# Altium PCB SixFeetRobot.PcbDoc
Units mil, origin at the board's own origin, x right, y up, seen from the top; angles counter-clockwise.
Board outline 3346.46 x 2204.72 mil, 2 copper layers (Top Layer, Bottom Layer); 74 components, 69 nets, 357 pads, 86 vias.
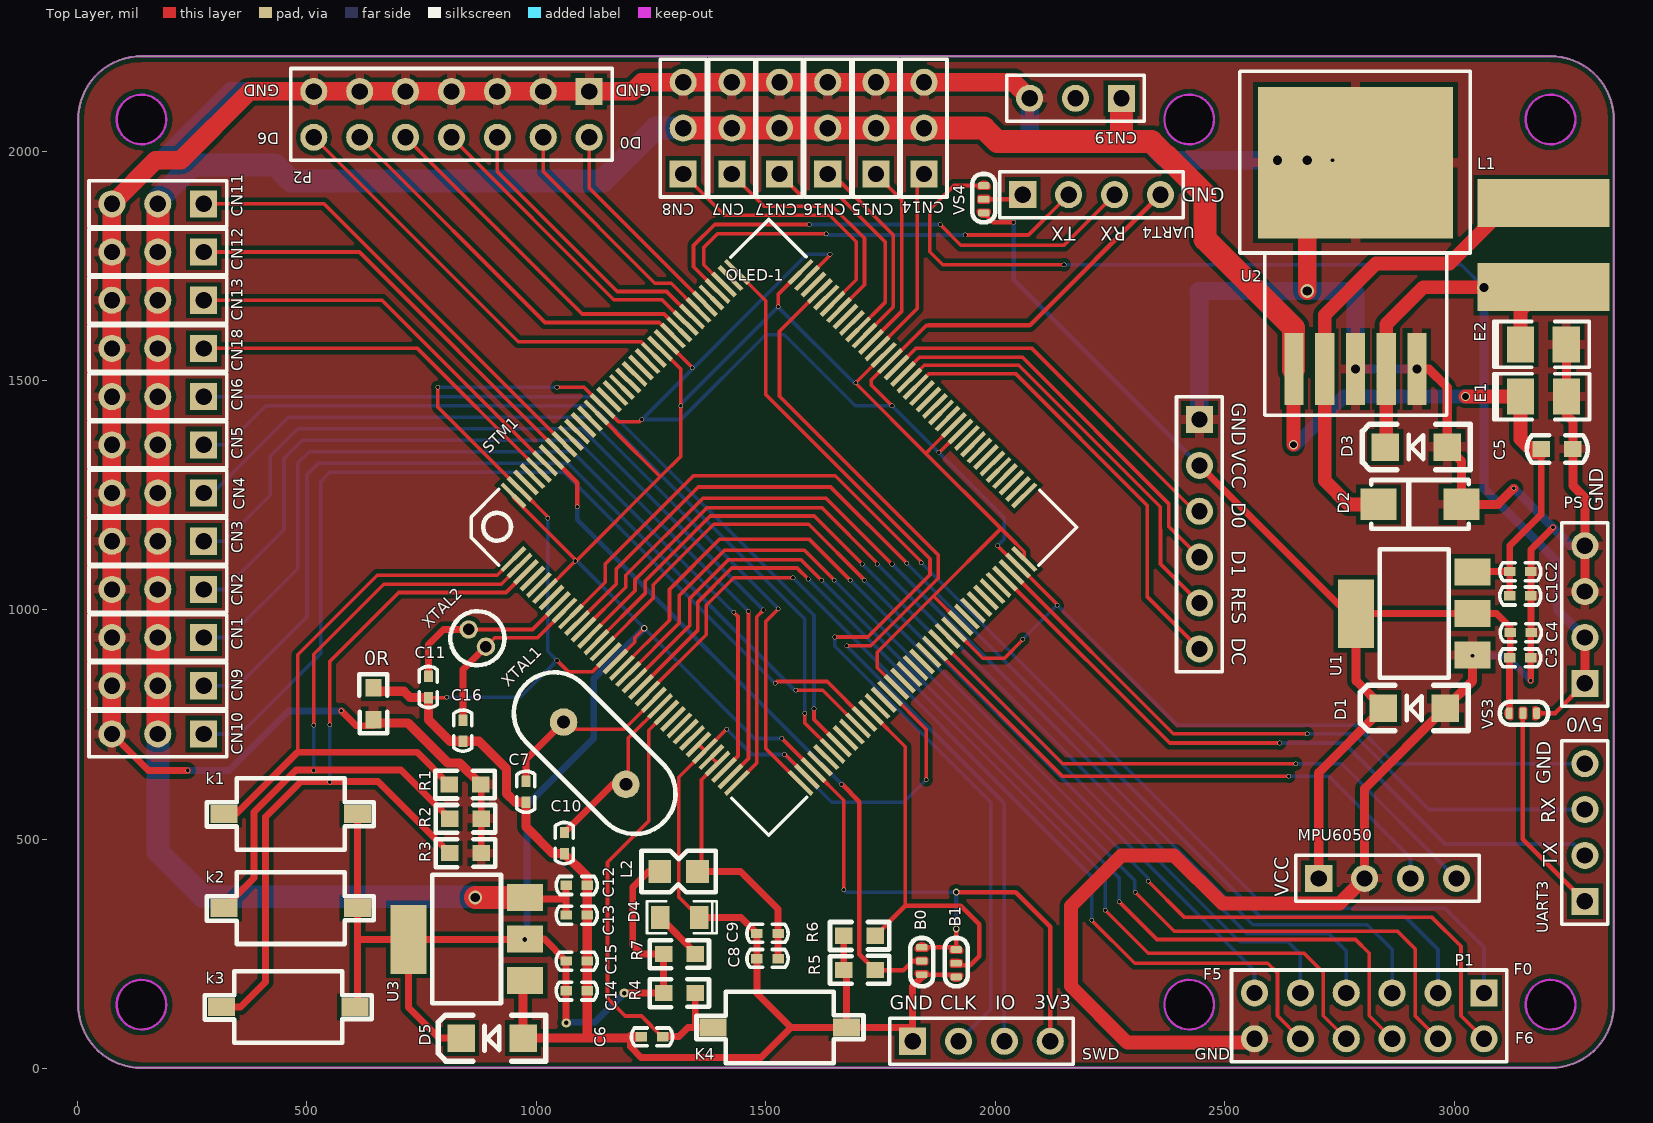
[diagram p0: Top Layer view]
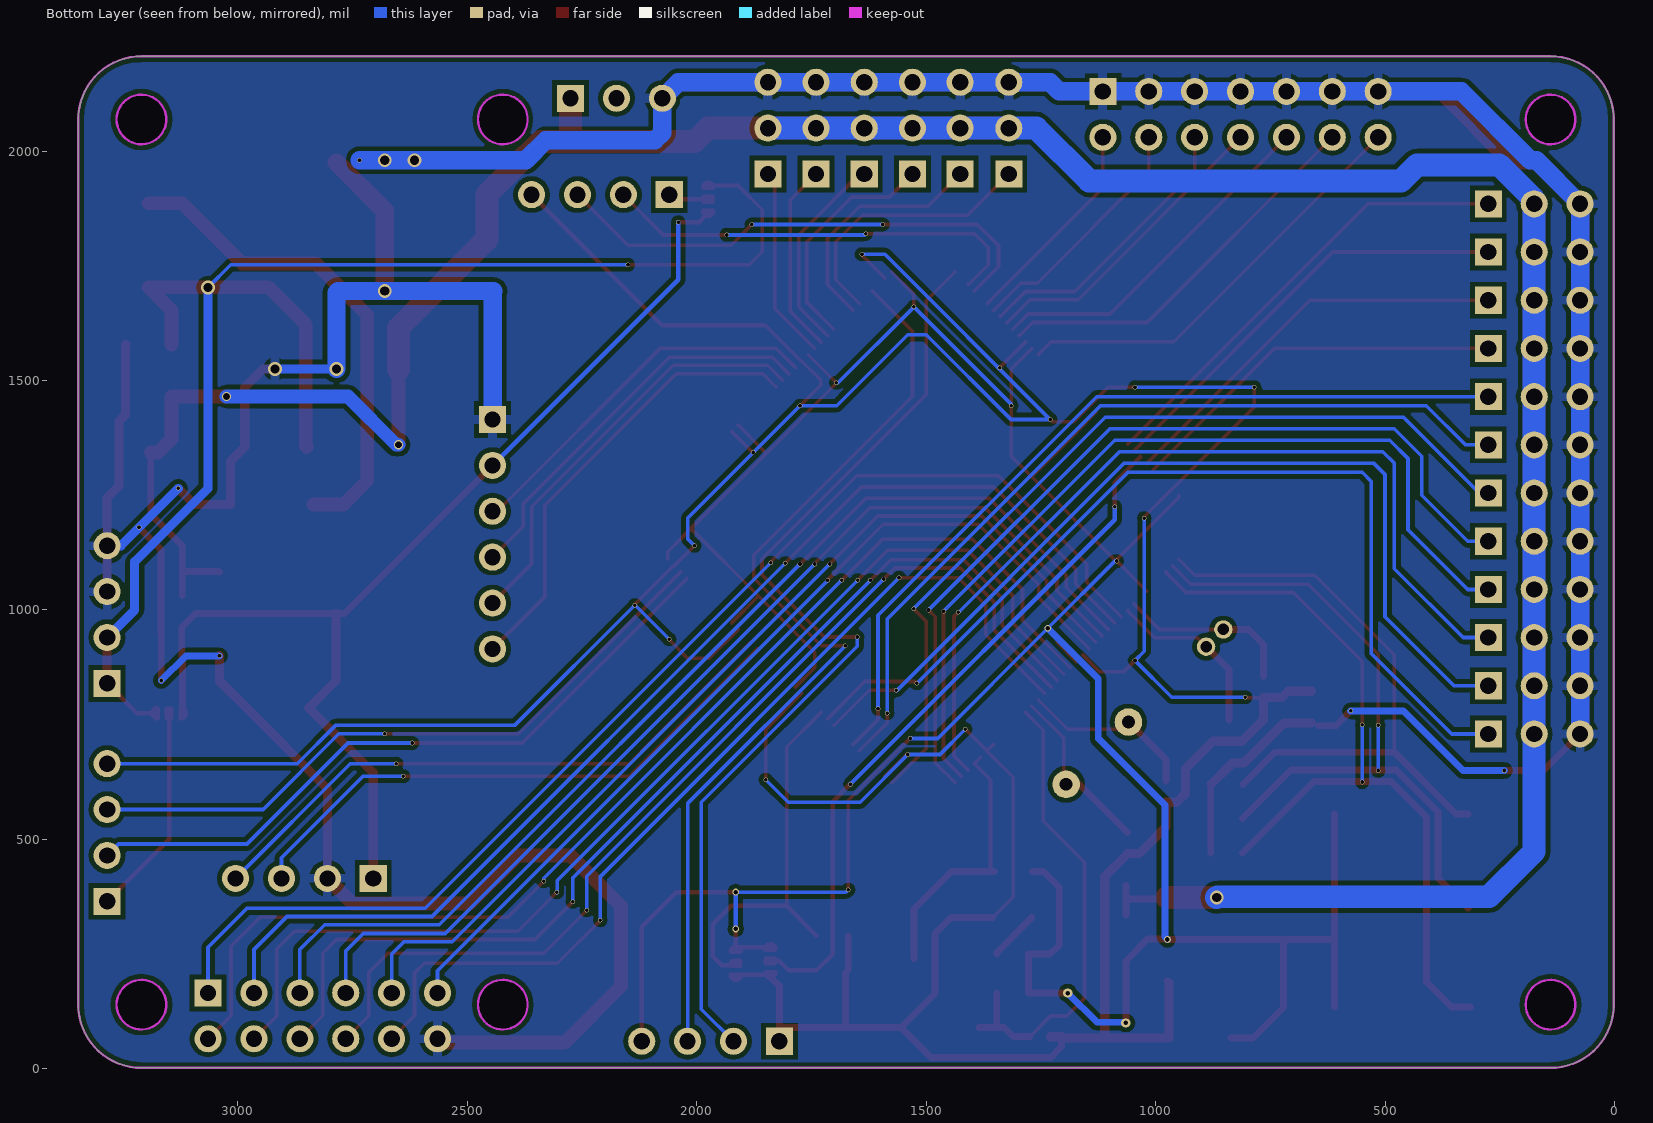
[diagram p1: Bottom Layer view, seen from below]
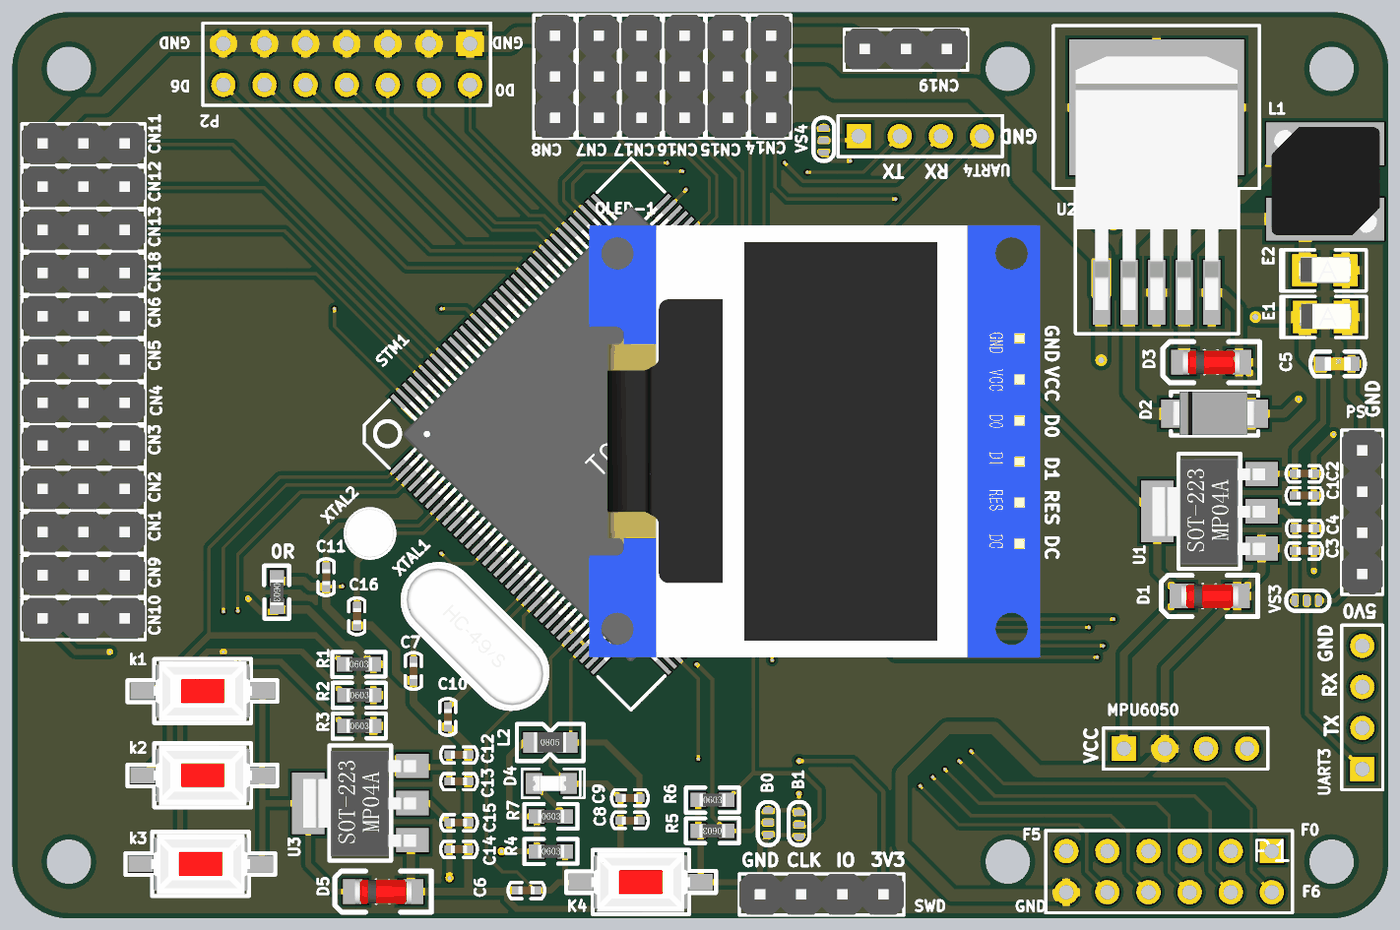
[diagram p2: 3D render of the assembled board from above, using the file's embedded part models]

## Layer stack, top to bottom
Top Solder: solder mask 0.4, Solder Resist, Dk 3.5
Top Layer: signal copper 1.4
Dielectric 1: dielectric 12.6, FR-4, Dk 4.8
Bottom Layer: signal copper 1.4
Bottom Solder: solder mask 0.4, Solder Resist, Dk 3.5

## Board outline
1.56,139.81 1.56,2068.95 cw(c139.36,2068.95) 139.36,2206.74 3210.23,2206.74 cw(c3210.23,2068.95) 3348.02,2068.95 3348.02,139.81 cw(c3210.23,139.81) 3210.23,2.02 139.36,2.02 cw(c139.36,139.81)
cut-out: 3156.09,139.81 ccw(c3210.23,139.81) 3210.23,85.68 ccw(c3210.23,139.81) 3264.36,139.81 ccw(c3210.23,139.81) 3210.23,193.95 ccw(c3210.23,139.81)
cut-out: 2368.69,139.81 ccw(c2422.82,139.81) 2422.82,85.68 ccw(c2422.82,139.81) 2476.96,139.81 ccw(c2422.82,139.81) 2422.82,193.95 ccw(c2422.82,139.81)
cut-out: 3156.09,2068.95 ccw(c3210.23,2068.95) 3210.23,2014.81 ccw(c3210.23,2068.95) 3264.36,2068.95 ccw(c3210.23,2068.95) 3210.23,2123.08 ccw(c3210.23,2068.95)
cut-out: 2368.69,2068.95 ccw(c2422.82,2068.95) 2422.82,2014.81 ccw(c2422.82,2068.95) 2476.96,2068.95 ccw(c2422.82,2068.95) 2422.82,2123.08 ccw(c2422.82,2068.95)
cut-out: 139.36,2014.81 cw(c139.36,2068.95) 85.23,2068.95 cw(c139.36,2068.95) 139.36,2123.08 cw(c139.36,2068.95) 193.49,2068.95 cw(c139.36,2068.95)
cut-out: 139.36,85.68 cw(c139.36,139.81) 85.23,139.81 cw(c139.36,139.81) 139.36,193.95 cw(c139.36,139.81) 193.49,139.81 cw(c139.36,139.81)

## Design rules (kind name [scope] priority, off if disabled: settings)
Clearance Clearance_1 [HasFootprint('STM32F103ZET6-1') vs HasFootprint('STM32F103ZET6-1')] p1: gap=2 ignorepadtopadclearanceinfootprint=FALSE
Clearance [All] p2: gap=10 ignorepadtopadclearanceinfootprint=FALSE
PlaneConnect [All] p1: planeconnectstyle=Relief reliefexpansion=20 reliefentries=4 reliefconductorwidth=20 reliefairgap=10
PolygonConnect [All] p1: connectstyle=Relief reliefconductorwidth=20 reliefentries=4 polygonreliefangle="90 Angle" airgapwidth=10
RoutingVias [All] p1: holewidth=10 width=20 viastyle="Through Hole" minholewidth=8 minwidth=10 maxholewidth=70 maxwidth=100
SilkToSilkClearance [All] p1: silktosilkclearance=-20
SolderMaskExpansion [All] p1: expansion=4
Width [All] p1: maxlimit=50 minlimit=8 preferedwidth=10
28 further rules are at their usual default settings.

## Classes and differential pairs
net class D[0..6]: D0 D1 D2 D3 D4 D5 D6
component class U_STM32F103ZET6: B0 B1 C6 C7 C8 C9 C10 C11 C12 C13 C14 C15 C16 D4 D5 K4 L2 R4 R5 R6 R7 STM1 SWD U3 XTAL1 XTAL2
component class U_PowerGroup: C1 C2 C3 C4 C5 CN19 D1 D2 D3 E1 E2 L1 PS U1 U2
component class U_Models: CN1 CN2 CN3 CN4 CN5 CN6 CN7 CN8 CN9 CN10 CN11 CN12 CN13 CN14 CN15 CN16 CN17 CN18 k1 k2 k3 MPU6050 OLED-1 P1 P2 R1 R2 R3 UART3 UART4 VS3 VS4

## Components (designator, comment, footprint, x,y, rotation, side; value= is the part's Value field where it differs from the comment)
0R "Comment" R0603 645,830 r270 top
B0 "BOOT0" Jumper3#1 1840,275 r180 top locked (schematic designator J1)
B1 "BOOT1" Jumper3#2 1915,190 r0 top locked (schematic designator J2)
C1 "100n" C0402 3166.31,1030.87 r180 top locked
C2 "10u" C0402 3166.31,1083.9 r180 top locked
C3 "100n" C0402 3166.09,895.87 r180 top locked
C4 "10u" C0402 3167.31,950.87 r180 top locked
C5 "100n" C0603 3190,1351.02 r0 top locked
C6 "100n" C0402 1274,70 r180 top locked
C7 "20p" C0402 977.56,581.78 r90 top locked
C8 "100n" C0402 1481.79,240 r0 top locked
C9 "10u" C0402 1481.79,295 r0 top locked
C10 "20p" C0402 1061.08,470 r90 top locked
C11 "20p" C0402 765,810 r90 top locked
C12 "100n" C0402 1110,400 r180 top locked
C13 "10u" C0402 1110,335 r180 top locked
C14 "100n" C0402 1110,170 r180 top locked
C15 "10u" C0402 1110,235 r180 top locked
C16 "20p" C0402 840,715 r90 top locked
CN1 "CON/SIP3" HDR1X3 275,939.79 r180 top locked
CN2 "CON/SIP3" HDR1X3 275,1044.79 r180 top locked
CN3 "CON/SIP3" HDR1X3 275,1149.79 r180 top locked
CN4 "CON/SIP3" HDR1X3 275,1254.79 r180 top locked
CN5 "CON/SIP3" HDR1X3 275,1359.79 r180 top locked
CN6 "CON/SIP3" HDR1X3 275,1464.79 r180 top locked
CN7 "CON/SIP3" HDR1X3 1426.06,1950 r90 top locked
CN8 "CON/SIP3" HDR1X3 1320,1950 r90 top locked
CN9 "CON/SIP3" HDR1X3 275,834.79 r180 top locked
CN10 "CON/SIP3" HDR1X3 275,729.79 r180 top locked
CN11 "CON/SIP3" HDR1X3 275,1885 r180 top locked
CN12 "CON/SIP3" HDR1X3 275,1780 r180 top locked
CN13 "CON/SIP3" HDR1X3 275,1675 r180 top locked
CN14 "CON/SIP3" HDR1X3 1845,1950 r90 top locked
CN15 "CON/SIP3" HDR1X3 1740,1950 r90 top locked
CN16 "CON/SIP3" HDR1X3 1635,1950 r90 top locked
CN17 "CON/SIP3" HDR1X3 1530,1950 r90 top locked
CN18 "CON/SIP3" HDR1X3 275,1570 r180 top locked
CN19 "CON/SIP3" HDR1X3 2275,2115 r180 top locked
D1 "3v3" D1206 2910,789.24 r180 top locked
D2 "ss14" DO-214 3016.1,1230 r180 top locked
D3 "5v0" D1206 2914,1358 r180 top locked
D4 "LED" LED0805TB 1270,330 r0 top locked
D5 "3v3" D1206 900,70 r180 top locked
E1 "100u" "CAP-E SMD-A" 3195,1466.5 r0 top locked
E2 "220u" "CAP-E SMD-A" 3194.44,1580 r0 top locked
k1 "KEY" 按键-贴片-1 465,555 r0 top locked
k2 "KEY" 按键-贴片-1 465,350 r0 top locked
k3 "KEY" 按键-贴片-1 460,134.48 r0 top
K4 "RESET" 按键-贴片-1 1530,90 r180 top locked
L1 "33u" L7X7 3195,1795 r270 top locked
L2 "INDUCTOR" L0805 1268.93,429.8 r0 top locked
MPU6050 "P" HDR1X4 2705,415 r0 top locked
OLED-1 "OLED直插" OLED直插 2446,1414 r270 top locked
P1 "PORTF" HDR2X6 3065,165.46 r180 top locked
P2 "Header 7X2" HDR2X7 1115,2130 r180 top locked
PS "CON/SIP4" HDR1X4 3285,840 r90 top locked
R1 "10k" R0603 810,620 r0 top locked
R2 "10k" R0603 811,545 r0 top locked
R3 "10k" R0603 811,470 r0 top locked
R4 "10k" R0603 1277.16,164.89 r0 top locked
R5 "10k" R0603 1739,215 r180 top locked
R6 "10k" R0603 1670,290 r0 top locked
R7 "1k" R0603 1277.16,250 r0 top locked
STM1 "STM32F103ZET6" STM32F103ZET6-1 914.64,1181.48 r45 top locked
SWD "CON/SIP4" HDR1X4 1820,60 r0 top locked
U1 "AMS1117-XX" SOT223 2910,990 r90 top locked
U2 "LM2596" TO263S 2785,1525 r270 top locked
U3 "AMS1117-XX" SOT223 845,280 r90 top locked
UART3 "Header 4" HDR1X4 3285,365 r90 top locked
UART4 "Header 4" HDR1X4 2060,1905 r0 top locked
VS3 "JUMPER3" Jumper3#3 3110,775 r270 top locked
VS4 "JUMPER3" Jumper3#3 1975,1855 r0 top locked
XTAL1 "8M" XTAL-49/S_N 1059.24,755.76 r315 top locked
XTAL2 "32.768k" XTAL_32.768 852.52,957.48 r315 top locked

## Footprints (in the part's own frame and the unit in brackets; to place one, negate y for a bottom-side part, rotate by r counter-clockwise, add the part's x,y. Pads: shape width x height; smd on the part's side, far side on the other; paste and mask are expansions set on the pad)
C0402 [mil]
  rect 25x20 smd: 1(-1,0) 2(45,0)
  silkscreen extent -23,-19 67,20, body extent 2,-10 42,10, height 20
C0603 [mil]
  rect 38x35 smd: 1(0,0) 2(69,0)
  silkscreen extent -31,-30 101,30, body extent 4,-16 67,16, height 12
"CAP-E SMD-A" [mm]
  rect 1.5x2 / inner rect 0x0 / far side rect 0x0 all layers, no hole: 1(-1.27,-0.038) 2(1.27,-0.038)
  silkscreen extent -2.74,-1.31 2.54,1.23, body extent -1.6,-0.8 1.6,0.8, height 1.6
D1206 [mil] "1/4W"
  rect 60x60 smd: 1(-71,3) 2(64,3)
  silkscreen extent -121,-47 114,53, body extent -73,-27 65,33, height 59
DO-214 [mm]
  rect 2x1.75 smd: 1(0,0) 2(4.6,0)
  silkscreen extent -0.4,-1.35 5,1.35, body extent -0.2,-1.34 4.91,1.33, height 2.12
HDR1X3 [mm] "Connector; Header; 3 Position"
  rect 1.5x1.5 hole 0.9: 1(0,0)
  round 1.5 hole 0.9: 2(2.54,0) 3(5.08,0)
  silkscreen extent -1.27,-1.27 6.35,1.27, body extent -1.27,-1.32 6.35,1.22, height 8.54
HDR1X4 [mm] "Connector; Header; 4 Position"
  rect 1.5x1.5 hole 0.9: 1(0,0)
  round 1.5 hole 0.9: 2(2.54,0) 3(5.08,0) 4(7.62,0)
  silkscreen extent -1.27,-1.27 8.89,1.27
HDR2X6 [mm] "Connector; Header; 6x2 Position"
  rect 1.5x1.5 hole 0.9: 1(0,0)
  round 1.5 hole 0.9: 2(0,2.54) 3(2.54,0) 4(2.54,2.54) 5(5.08,0) 6(5.08,2.54) 7(7.62,0) 8(7.62,2.54) 9(10.16,0) 10(10.16,2.54) 11(12.7,0) 12(12.7,2.54)
  silkscreen extent -1.27,-1.27 13.97,3.81
HDR2X7 [mm] "Connector; Header; 7x2 Position"
  rect 1.5x1.5 hole 0.9: 1(0,0)
  round 1.5 hole 0.9: 2(0,2.54) 3(2.54,0) 4(2.54,2.54) 5(5.08,0) 6(5.08,2.54) 7(7.62,0) 8(7.62,2.54) 9(10.16,0) 10(10.16,2.54) 11(12.7,0) 12(12.7,2.54) 13(15.24,0) 14(15.24,2.54)
  silkscreen extent -1.27,-1.27 16.51,3.81
Jumper3#1 [mil] "Use to select Model"
  rrect50% 25x15 smd: 1(0,10) 2(0,40) 3(0,70)
  Top Layer lines w10: 0,75 0,70 0,65 ; 0,5 0,10 0,15 ; 0,65 -11.18,65 cw(c0,65) -10,70 cw(c0,65) 1.12,76.12 cw(c0,65) 11.18,65 0,65 ; 0,15 -11.18,15 ccw(c0,15) -10,10 ccw(c0,15) 0,3.82 ccw(c0,15) 11.18,15 0,15 ; 10,45 0,45 -10,45 -10,40 -10,35 0,35 10,35 10,40 10,45
  silkscreen extent -25,-10 25,95
Jumper3#2 [mil] "Use to select Model"
  rrect50% 25x15 smd: 1(0,10) 2(0,40) 3(0,70)
  Top Layer lines w10: 0,5 0,10 0,15 ; 0,45 -10,45 -10,40 -10,35 0,35 4.54,35 10,35 10,35.39 10,40 ; 0,75 0,70 0,65 ; 0,15 -10,15 -11.18,15 ccw(c0,15) 11.18,15 0,15 ; 0,65 11.18,65 ccw(c0,65) 0,76.18 ccw(c0,65) -5,75 ccw(c0,65) -11.18,65 0,65
  silkscreen extent -25,-10 25,95
Jumper3#3 [mil] "Use to select Model"
  rrect50% 25x15 smd: 1(0,10) 2(0,40) 3(0,70)
  Top Layer lines w10: 0,5 0,10 0,15 ; 0,75 0,70 0,65 ; 0,15 -11.18,15 ccw(c0,15) -10.47,11.09 ccw(c0,15) 11.18,15 0,15 ; 0,65 -11.18,65 cw(c0,65) 0,76.18 cw(c0,65) 11.18,65 0,65 ; 10,35 10,40 10,45 0,45 -10,45 -10,40 -10,35 0,35 10,35
  silkscreen extent -25,-10 25,95
L7X7 [mm] "POWER INDUCTOR 5uH"
  rect 2.65x7.3 smd: 1(-2.325,0) 2(2.325,0)
  body extent -3.36,-3.33 3.34,3.37, height 2.9
L0805 [mil] "1/8W"
  rect 50x50 smd: 1(0,0) 2(82.3,0.2)
  silkscreen extent -40,-45 122,45, body extent 1,-24 80,25, height 22
LED0805TB [mil]
  rect 40x50 smd: 1(0,0) 2(85,0)
  silkscreen extent -29,-35 123,35, body extent -2,-18 79,18, height 33
OLED直插 [mm]
  rect 1.5x1.5 hole 0.9: 1(-0.025,-0.025)
  round 1.5 hole 0.9: 2(2.515,-0.025) 3(5.055,-0.025) 4(7.595,-0.025) 5(10.135,-0.025) 6(12.675,-0.025)
  silkscreen extent -1.3,-1.3 13.94,1.24, body extent -6.97,-26.45 19.73,1.4, height 13.59
R0603 [mil] "1/10W"
  rect 38x35 smd: 1(0,0) 2(69,0)
  silkscreen extent -30,-31 99,30, body extent 4,-16 66,16, height 18
SOT223 [mil]
  rect 59x79 smd: 1(-88,-130) 2(2.55,-130) 3(93.1,-130)
  rect 150x79 smd: 2(1.88,123.54)
  silkscreen extent -137,-78 143,72, body extent -126,-139 130,135, height 67
STM32F103ZET6-1 [mil]
  rect 70.87x10 smd: 1(-25.36,-74.98) 2(-25.36,-94.66) 3(-25.35,-114.35) 4(-25.35,-134.03) 5(-25.36,-153.72) 6(-25.35,-173.4) 7(-25.35,-193.09) 8(-25.36,-212.77) 9(-25.36,-232.46) 10(-25.35,-252.14) 11(-25.36,-271.83) 12(-25.36,-291.51) 13(-25.35,-311.2) 14(-25.35,-330.88) 15(-25.36,-350.57) 16(-25.35,-370.25) 17(-25.35,-389.94) 18(-25.36,-409.62) 19(-25.35,-429.31) 20(-25.35,-448.99) 21(-25.36,-468.68) 22(-25.36,-488.36) 23(-25.35,-508.05) 24(-25.35,-527.73) 25(-25.36,-547.42) 26(-25.35,-567.1) 27(-25.36,-586.79) 28(-25.36,-606.47) 29(-25.36,-626.16) 30(-25.35,-645.84) 31(-25.36,-665.53) 32(-25.36,-685.21) 33(-25.35,-704.9) 34(-25.36,-724.58) 35(-25.36,-744.27) 36(-25.35,-763.95) 73(860.47,-763.95) 74(860.47,-744.27) 75(860.47,-724.58) 76(860.47,-704.9) 77(860.47,-685.21) 78(860.47,-665.53) 79(860.47,-645.84) 80(860.47,-626.16) 81(860.47,-606.47) 82(860.47,-586.79) 83(860.47,-567.1) 84(860.47,-547.42) 85(860.47,-527.73) 86(860.47,-508.05) 87(860.47,-488.36) 88(860.47,-468.68) 89(860.47,-448.99) 90(860.47,-429.31) 91(860.47,-409.62) 92(860.47,-389.94) 93(860.47,-370.25) 94(860.47,-350.57) 95(860.47,-330.88) 96(860.47,-311.2) 97(860.47,-291.51) 98(860.47,-271.83) 99(860.47,-252.14) 100(860.47,-232.46) 101(860.47,-212.77) 102(860.47,-193.09) 103(860.47,-173.4) 104(860.47,-153.72) 105(860.47,-134.03) 106(860.47,-114.35) 107(860.47,-94.66) 108(860.47,-74.98)
  rect 10x70.87 smd: 37(73.07,-862.38) 38(92.76,-862.38) 39(112.44,-862.38) 40(132.13,-862.38) 41(151.81,-862.38) 42(171.49,-862.38) 43(191.18,-862.38) 44(210.87,-862.38) 45(230.55,-862.38) 46(250.24,-862.38) 47(269.92,-862.38) 48(289.61,-862.38) 49(309.29,-862.38) 50(328.98,-862.38) 51(348.66,-862.38) 52(368.35,-862.38) 53(388.03,-862.38) 54(407.72,-862.38) 55(427.4,-862.38) 56(447.09,-862.38) 57(466.77,-862.38) 58(486.46,-862.38) 59(506.14,-862.38) 60(525.83,-862.38) 61(545.51,-862.38) 62(565.19,-862.38) 63(584.88,-862.38) 64(604.57,-862.38) 65(624.25,-862.38) 66(643.94,-862.38) 67(663.62,-862.38) 68(683.31,-862.38) 69(702.99,-862.38) 70(722.68,-862.38) 71(742.36,-862.38) 72(762.05,-862.38) 109(762.05,23.45) 110(742.36,23.45) 111(722.67,23.45) 112(702.99,23.45) 113(683.31,23.45) 114(663.62,23.45) 115(643.94,23.45) 116(624.25,23.45) 117(604.57,23.45) 118(584.88,23.45) 119(565.2,23.45) 120(545.51,23.45) 121(525.82,23.45) 122(506.14,23.45) 123(486.46,23.45) 124(466.77,23.45) 125(447.09,23.45) 126(427.4,23.45) 127(407.72,23.45) 128(388.03,23.45) 129(368.35,23.45) 130(348.66,23.45) 131(328.98,23.45) 132(309.29,23.45) 133(289.61,23.45) 134(269.92,23.45) 135(250.24,23.45) 136(230.55,23.45) 137(210.87,23.45) 138(191.18,23.45) 139(171.5,23.45) 140(151.81,23.45) 141(132.13,23.45) 142(112.44,23.45) 143(92.76,23.45) 144(73.07,23.45)
  silkscreen extent -57,-894 892,55, body extent -16,-852 850,15, height 43
TO263S [mil]
  rect 157.48x42 smd: 1(0,-134) 2(0,-67) 3(0,0) 4(0,67) 5(0,134)
  rect 330x425 smd: 3(-450,0)
  silkscreen extent -649,-252 101,250, body extent -574,-197 43,197
XTAL-49/S_N [mil] "短型晶振（未加焊）"
  round 60 hole 28: 1(0,0) 2(192,0)
  silkscreen extent -116,-88 308,89, body extent -116,-89 309,88, height 138
XTAL_32.768 [mil] "32.768k柱式晶振（未加焊）"
  round 40 hole 25: 1(0,0) 2(53,0)
  silkscreen extent -32,-59 86,59, body extent -33,-59 85,59, height 354
按键-贴片-1 [mm]
  rect 1.5x1 smd: 1(-3.708,0) 2(3.683,0)
  silkscreen extent -4.65,-1.98 4.6,1.98, body extent -3.05,-1.85 3.05,1.85, height 2.5

## Part data
B0 B1: library part JUMPER3, "Jumper"
C1 C2 C3 C4 C5 C6 C7 C8 C9 C10 C11 C12 C13 C14 C15 C16: library part Capacitor, "电容"
D1 D3 D5: library part DIODE稳压
D2: library part DIODE, "二极管"
E1 E2: library part Capacitor-Polarity, "极性电容"
k1 k2 k3 K4: library part 按键
L1: library part INDUCTOR, "Inductor"
L2: "Inductor"
MPU6050: library part "Header 4", "Header, 4-Pin", LatestRevisionDate=17-Jul-2002, LatestRevisionNote="Re-released for DXP Platform.", Publisher="Altium Limited"
P1: library part "Header 6X2", "Header, 6-Pin, Dual row", LatestRevisionDate=17-Jul-2002, LatestRevisionNote="Re-released for DXP Platform.", Publisher="Altium Limited"
P2: "Header, 7-Pin, Dual row", LatestRevisionDate=17-Jul-2002, LatestRevisionNote="Re-released for DXP Platform.", Publisher="Altium Limited"
R1 R2 R3 R4 R5 R6 R7: library part Resistor, "电阻"
U1 U3: "稳压芯片"
U2: "DCDCBUCK"
UART3 UART4: "Header, 4-Pin", LatestRevisionDate=17-Jul-2002, LatestRevisionNote="Re-released for DXP Platform.", Publisher="Altium Limited"
VS3 VS4: "Jumper"
XTAL1 XTAL2: library part XTAL, "CRYSTAL"

## Via types
v1: diameter 10, hole 8, Top Layer to Bottom Layer, 71 vias
v2: diameter 30, hole 20, Top Layer to Bottom Layer, 7 vias
v3: diameter 15, hole 10, Top Layer to Bottom Layer, 4 vias
v4: diameter 20, hole 15, Top Layer to Bottom Layer, 2 vias
v5: diameter 20, hole 10, Top Layer to Bottom Layer, 2 vias

## Nets (pads, with @x,y where several pads share a name; then routed paths per layer and width w, separated by ;. In a path a pad name is that pad's centre, name@x,y a point inside that pad or via, vN(x,y) a via of type N, cw(c..) or ccw(c..) an arc to the next point about the centre after c; other vN are vias at no path point)
5V0: D3.2 E2.1 L1.2 PS.1 PS.2 U2.4 VS3.3 VS4.3 | length 3348.7
  Top Layer w8: VS4.3 1965,1925 1910,1925 1857.18,1872.18 1857.18,1780.52 1885.53,1752.16 v1(2150,1752.16)
  Top Layer w10: VS3.3 3185,775 3186.18,775 3220,775 PS.1
  Top Layer w20: L1.2@3064.23,1703.46 v2(3065,1702.7) ; PS.1 PS.2
  Top Layer w30: D3.2 2852,1357 U2.4 2852,1622 2933.46,1703.46 3064.23,1703.46 L1.2 3144.44,1652.9 E2.1
  Bottom Layer w8: v1(2150,1752.16) 3015.53,1752.16 v2(3065,1702.7)
  Bottom Layer w20: v2(3065,1702.7) 3065,1265 3225,1105 3225,1000 PS.2
BOOT0: B0.2 R5.1 STM1.138 | length 1520.7
  Top Layer w10: STM1.138 1088.92,1277.57 v1(1088.92,1225) ; v1(1665,620) 1666.37,620 1704,582.37 1704,250 R5.1 1800,215 1820,235 1830,235 B0.2
  Bottom Layer w10: v1(1088.92,1225) 1088.92,1196.87 1665,620.78 v1(1665,620)
BOOT1: B1.2 R6.2 STM1.48 | length 865
  Top Layer w8: STM1.48 1804,701.68 1804,355
  Top Layer w10: R6.2 1804,355 1925,355 1965,315 1965,245 1945.39,225.39 1925,225.39 1919.93,225.39 1919.54,225 B1.2@1915,225 ; B1.2@1915,235 1919.54,235 1919.93,234.61 1925,234.61 B1.2@1925,230
D0: P2.2 STM1.114 | length 467.2
  Top Layer w8: P2.2 1115,1919.61 STM1.114
D1: P2.4 STM1.115 | length 538.2
  Top Layer w8: P2.4 1015,1955.27 1258.18,1712.1 1293.71,1712.1 1352.42,1653.39 STM1.115
D2: P2.6 STM1.116 | length 629.9
  Top Layer w8: P2.6 915,1955.46 1176.36,1694.1 1283.87,1694.1 1338.5,1639.47 STM1.116
D3: P2.8 STM1.117 | length 678.1
  Top Layer w8: P2.8 1168.9,1676.1 1274.03,1676.1 1324.58,1625.55 STM1.117
D4: P2.10 STM1.118 | length 769.9
  Top Layer w8: P2.10 1100,1645 1278.26,1645 STM1.118
D5: P2.12 STM1.119 | length 862.8
  Top Layer w8: P2.12 1018.62,1626.38 1268.07,1626.38 1295.06,1599.39 1296.74,1599.39 1296.74,1597.71 STM1.119
D6: P2.14 STM1.122 | length 938.4
  Top Layer w8: P2.14 960.38,1584.62 1228.25,1584.62 1254.98,1557.89 1254.98,1555.95 STM1.122
F0: P1.1 STM1.10 | length 2667.1
  Top Layer w8: STM1.10 1150,1060.26 1150,1100 1342.63,1292.63 1651.45,1292.63 1838.88,1105.21 v1(1838.88,1102.99)
  Bottom Layer w8: v1(1838.88,1102.99) 2591.87,350 2980,350 3065,265 P1.1
F1: P1.3 STM1.11 | length 2530.2
  Top Layer w8: STM1.11 1173.76,1056.18 1173.76,1088.76 1352.89,1267.89 1641.2,1267.89 1807,1102.09 v1(1807,1101.87)
  Bottom Layer w8: v1(1807,1101.87) 2576.87,332 2893,332 2965,260 P1.3
F2: P1.5 STM1.12 | length 2397.8
  Top Layer w8: STM1.12 1195,1049.58 1195,1075.53 1362.98,1243.51 1631.11,1243.51 1774.62,1100 v1(1775,1100)
  Bottom Layer w8: v1(1775,1100) 2561,314 2811,314 2865,260 P1.5
F3: P1.7 STM1.13 | length 2270.6
  Top Layer w8: STM1.13 1215,1041.74 1215,1065.91 1371.66,1222.57 1622.43,1222.57 1743.13,1101.87 v1(1743.13,1100)
  Bottom Layer w8: v1(1743.13,1100) 2548.13,295 2727,295 2765,257 P1.7
F4: P1.9 STM1.14 | length 2143.7
  Top Layer w8: STM1.14 1236.98,1035.88 1236.98,1062.44 1379.11,1204.57 1605.43,1204.57 v1(1710,1100)
  Bottom Layer w8: v1(1710,1100) 2533,277 2638,277 2665,250 P1.9
F5: P1.11 STM1.15 | length 2001.5
  Top Layer w8: STM1.15 1254.98,1026.05 1254.98,1054.98 1386.57,1186.57 1593.43,1186.57 v1(1715,1065)
  Bottom Layer w8: v1(1715,1065) 1715,1063.77 2565,213.77 P1.11
F6: P1.2 STM1.18 | length 2577.7
  Top Layer w8: STM1.18 1290,977.55 1290,1044.45 1399.91,1154.36 1594.18,1154.36 1683.54,1065 v1(1684.09,1065) ; v1(2333.68,408.68) 2412.37,330 2951.88,330 3015,266.88 3015,115.46 P1.2
  Bottom Layer w8: v1(1684.09,1065) 2333.68,415.41 v1(2333.68,408.68)
F7: P1.4 STM1.19 | length 2454.9
  Top Layer w8: STM1.19 1311.63,971.34 1311.63,1031.63 1410,1130 1584.09,1130 1649.09,1065 v1(1649.24,1065) ; v1(2305,385) 2390,300 2876.88,300 2915,261.88 2915,115.46 P1.4
  Bottom Layer w8: v1(1649.24,1065) 1649.24,1064.85 2303.93,410.15 2303.93,383.93 v1(2305,385)
F8: P1.6 STM1.20 | length 2337.3
  Top Layer w8: STM1.20 1334,965.87 1334,1024.91 1418.52,1109.43 1576.98,1109.43 v1(1621.59,1064.83) ; v1(2270,364.37) 2352.48,281.88 2785,281.88 2815,251.88 2815,115.46 P1.6
  Bottom Layer w8: v1(1621.59,1064.83) 2270,416.41 v1(2270,364.37)
F9: P1.8 STM1.21 | length 2204.1
  Top Layer w8: STM1.21 1352,956.03 1352,1017.46 1425.98,1091.43 1568.11,1091.43 v1(1592.27,1067.27) ; v1(2240,345.37) 2333.48,251.88 2673.12,251.88 2715,210 2715,115.46 P1.8
  Bottom Layer w8: v1(1592.27,1067.27) 2240,419.54 v1(2240,345.37)
F10: P1.10 STM1.22 | length 2091.4
  Top Layer w8: STM1.22 1370,946.19 1370,1010 1430,1070 v1(1559.24,1070) ; v1(2210,323.93) 2303.93,230 2594,230 2615,209 2615,115.46 P1.10
  Bottom Layer w8: v1(1559.24,1070) 2210,419.24 v1(2210,323.93)
GND: 0R.2 C1.1 C2.1 C3.1 C4.1 C5.2 CN1.3 CN2.3 CN3.3 CN4.3 CN5.3 CN6.3 CN7.3 CN8.3 CN9.3 CN10.3 CN11.3 CN12.3 CN13.3 CN14.3 CN15.3 CN16.3 CN17.3 CN18.3 CN19.3 D1.1 D2.1 D3.1 E1.2 E2.2 MPU6050.2 OLED-1.1 P1.12 P2.1 P2.3 P2.5 P2.7 P2.9 P2.11 P2.13 PS.3 PS.4 R1.2 R2.2 R3.2 U1.1 U2.3 U2.5 | length 13374.3
  Top Layer w15: CN10.3 154.79,650 v1(240,650) ; v1(575,780) 607.3,747.7 0R.2@645.2,747.7 ; R1.2 880,619 R3.2 ; v1(3167.09,846.33) C3.1 3167.09,949.66 C4.1 3167.31,951.87 C1.1 C2.1 3167.31,1131.75 v1(3215.56,1180)
  Top Layer w20: 0R.2@660,753.64 720.36,753.64 807.41,666.59 832.41,666.59 R1.2 ; MPU6050.2 2805,610.24 D1.1 3040,845.24 v1(3040,900) ; v2(2919,1525) 2945,1525 2985,1485 D3.1 3016.1,1323.9 D2.1 3095,1230 v1(3130,1265) ; E2.2 3245,1577.94 E1.2 3245,1425 3259,1411 C5.2 3259,1271 3285,1245 PS.4 PS.3
  Top Layer w30: P1.12 2565,57.48 2287.52,57.48 2165,180 2165,355 2275,465 2390,465 2495,360 2750,360 MPU6050.2
  Top Layer w40: CN10.3 CN9.3 CN1.3 CN2.3 CN3.3 CN4.3 CN5.3 CN6.3 CN18.3 CN13.3 CN12.3 CN11.3 170,1980 225,1980 375,2130 P2.13 P2.11 P2.9 P2.7 P2.5 P2.3 P2.1 1210,2130 1230,2150 CN8.3 CN7.3 CN17.3 CN16.3 CN15.3 CN14.3 2040,2150 CN19.3 ; v2(2680,1695) 2680,1870 U2.3@2785,1975
  Bottom Layer w15: v1(240,650) 330,650 460,780 v1(575,780) ; v1(3040,900) 3113.42,900 v1(3167.09,846.33)
  Bottom Layer w20: v2(2785,1525) v2(2919,1525) ; v1(3130,1265) 3255,1140 PS.4
  Bottom Layer w40: CN10.3 CN9.3 CN1.3 CN2.3 CN3.3 CN4.3 CN5.3 CN6.3 CN18.3 CN13.3 CN12.3 CN11.3 170,1980 183.67,1980 333.67,2130 P2.13 P2.11 P2.9 P2.7 P2.5 P2.3 P2.1 1210,2130 1230,2150 CN8.3 CN7.3 CN17.3 CN16.3 CN15.3 CN14.3 2040,2150 CN19.3 2075,2040 2091.06,2023.94 2328.81,2023.94 2372.75,1980 v2(2615,1980) v2(2680,1980) v1(2735,1980) ; OLED-1.1 2445,1693.54 2443.54,1695 v2(2680,1695) 2781.46,1695 2785,1691.46 v2(2785,1525)
IIC_SCL: MPU6050.3 STM1.58 | length 1270.3
  Top Layer w8: STM1.58 2146.79,637.27 v1(2640,637.27)
  Bottom Layer w8: v1(2640,637.27) 2727.73,637.27 2905,460 MPU6050.3
IIC_SDA: MPU6050.4 STM1.59 | length 1335.8
  Top Layer w8: STM1.59 2146.9,665 v1(2655,665)
  Bottom Layer w8: v1(2655,665) 2755,665 MPU6050.4
K1: k1.1 R1.1 STM1.1 | length 1344.3
  Top Layer w8: 480,690 480,902.55 653.26,1075.81 915,1075.81 STM1.1
  Top Layer w15: k1.1 345,555 480,690 740,690 R1.1
K2: k2.1 R2.1 STM1.2 | length 1527
  Top Layer w8: v1(515,748.63) 515,903.5 667.68,1056.18 923.21,1056.18 STM1.2
  Top Layer w15: k2.1 385,416 385,559.64 476.55,651.19 704.81,651.19 R2.1
  Bottom Layer w8: v1(515,650) v1(515,748.63)
K3: k3.1 R3.1 STM1.3 | length 1748.4
  Top Layer w8: v1(550,750) 550,887.82 700.36,1038.18 934.02,1038.18 976.6,1080.76 976.6,1082.69 STM1.3
  Top Layer w15: k3.1 355,134.48 410,189.48 410,549.29 486.9,626.19 654.81,626.19 R3.1
  Bottom Layer w8: v1(550,625) v1(550,750)
M_3V3: B0.1 B1.3 C14.2 C15.2 D5.2 k1.2 k2.2 k3.2 L2.1 R4.1 R7.1 STM1.6 STM1.17 STM1.39 STM1.52 STM1.62 STM1.72 STM1.84 STM1.95 STM1.108 STM1.121 STM1.131 STM1.144 SWD.4 U3.2 | length 7689.2
  Top Layer w8: STM1.144 949.72,1245.28 v1@1085,1110 ; STM1.6 v1(1085,1106.61) ; v1@1085.81,1105.81 1270,1290 ; STM1.131 1172.44,1388.92 1172.44,1387.56 1270,1290 ; STM1.17 1214.19,929.58 1214.19,939.19 v3(1235,960) ; STM1.121 1315,1524.74 v1(1315,1445) 1315,1335 1270,1290 ; v1(1526.79,1660.42) 1526.79,1687.6 STM1.108 ; v1(1535,720) 1535.13,720 STM1.39 1670,585.13 v1(1670,390) ; STM1.95 v1(1696.1,1495) 1696.1,1493.9 1847.74,1342.26 ; STM1.52 1743.13,873.9 1743.13,907.71 1865,1029.58 ; STM1.84 1909.59,1402.84 1857.18,1350.43 1857.18,1349.86 1849.58,1342.26 1847.74,1342.26 ; STM1.62 1865.84,1029.58 1865,1029.58 ; STM1.72 2063.28,1126.72 2030,1160 2012.71,1177.29 ; 1847.74,1342.26 2012.71,1177.29 ; 1865,1029.58 2012.71,1177.29
  Top Layer w10: B0.1@1850,265 B1.3@1910,265 ; B1.3 1915,265 1915,266.18 v3(1915,305) ; v3(1915,385) 2045,385 2120,310 SWD.4
  Top Layer w15: k3.2@610,134.48 610,285 ; k1.2 610,285 ; D5.2 788,67 721.46,133.54 U3.2@721.46,281.88 ; v5(1065,100) C14.2 C15.2 1017.45,282.55 975,282.55 v3(974.33,281.88) U3.2@721.46,281.88 ; v5(1191.65,165) 1191.76,164.89 R4.1 R7.1 1230,250 1210,270 1210,395 1244.8,429.8 L2.1 ; 610,285 613.12,281.88 U3.2@721.46,281.88
  Bottom Layer w8: v1(1085,1106.61) 1088.39,1106.61 v3(1235,960) 1475,720 v1(1535,720) ; v1(1315,1445) 1315,1448.63 v1(1526.79,1660.42) 1692.21,1495 v1(1696.1,1495) ; v1(1670,390) 1675,385 v3(1915,385)
  Bottom Layer w10: v3(1915,305) v3(1915,385)
  Bottom Layer w15: v3(974.33,281.88) 980,287.55 980,575 1125,720 1125,850 v3(1235,960) ; v5(1065,100) 1066.53,101.53 1128.18,101.53 v5(1191.65,165)
MiniSys_GND: 0R.1 B0.3 B1.1 C6.2 C7.1 C8.1 C9.1 C10.1 C11.1 C12.1 C13.1 C14.1 C15.1 C16.1 D4.2 D5.1 K4.1 R5.2 R6.1 STM1.16 STM1.30 STM1.31 STM1.38 STM1.51 STM1.61 STM1.71 STM1.83 STM1.94 STM1.107 STM1.120 STM1.130 STM1.143 SWD.1 U3.1 UART3.4 UART4.4 | length 10357.1
  Top Layer w8: C11.1 804,809 v1(805,810) ; v1(785,1485) 785,1442.29 STM1.143 963.64,1262.68 965.58,1262.68 1025,1203.26 v1(1025,1200) ; v1(1045,890) 1070,865 1121.77,865 STM1.16 ; v1(1045,1485) 1104.19,1485 STM1.130 1179.19,1410 1225,1410 v1(1230,1415) ; STM1.120 1339.47,1528.11 v1(1340,1528.11) ; STM1.30 STM1.31@1367.31,692.95 ; D4.2 1310.55,374.45 1310.55,635.55 1367.31,692.31 STM1.31 ; v1(1415,740) 1414.36,740 STM1.31 ; v1(1540,685) 1542.29,685 STM1.38 ; STM1.107 1640,1772.97 v1(1640,1775) ; STM1.51 1849.58,739.61 v1(1849.58,630) ; v1(1775,1445) 1730,1490 1730,1501.06 STM1.94 1771.94,1542.03 1849.9,1620 1855.57,1620 ; v1(1876.83,1343.22) 1877.07,1343.22 1877.73,1342.56 STM1.83 ; STM1.61 1972.58,895 2020,895 2060,935 v1(2060,935.92) ; v1(2005,1140) 2048.39,1096.61 STM1.71 2049.36,1095.64 2051.29,1095.64 2135,1011.94 v1(2135,1010)
  Top Layer w10: B0.3 1850,205 1903.82,205 1905,205 B1.1@1915,195 ; 1855.57,1620 2075,1620 UART4.4
  Top Layer w15: U3.1@971,188 U3.1 ; 1202,67 1205,70 1205,48.11 1228.11,25 1489.8,25 1554.8,90 ; D4.2 1445.79,330 C9.1 C8.1 1480.79,164.01 1554.8,90 ; R6.1 R5.2 1676,209 K4.1 ; B0.3@1838.88,198.88 1820,180 1820,91.84 1818.16,90 K4.1 ; 1554.8,90 K4.1
  Top Layer w20: 0R.1@660,822.64 711.36,822.64 725,809 C11.1 765,760.76 811.76,714 C16.1 875.03,714 935,654.03 935,600 954.22,580.78 C7.1 977.56,527.44 1036,469 C10.1 1111,419.08 C12.1 C13.1 C15.1 C14.1 1111,67 ; U3.1@971,188 D5.1 1111,67 ; 1202,67 1111,67 ; 1205,70 C6.2
  Bottom Layer w8: v1(785,1485) v1(1045,1485) ; v1(805,810) 965,810 v1(1045,890) 1025,910 v1(1025,1200) ; v1(1415,740) 1470,685 v1(1540,685) 1643.87,581.13 1800.71,581.13 v1(1849.58,630) ; v1(1640,1775) 1590,1775 v1(1230,1415) 1315,1415 1500,1600 1540,1600 1695,1445 v1(1775,1445) 2020,1200 2020,1155 v1(2005,1140) ; v1(2060,935.92) 2134.08,1010 v1(2135,1010) 2396,749 2786.46,749 2870.46,665 UART3.4
NetD2_2: D2.2 L1.1 U2.2 | length 1077.4
  Top Layer w30: D2.2 2770,1230 2718,1282 U2.2 2718,1643 2830,1755 2990,1755 3121.54,1886.54 L1.1
NetD4_1: D4.1 R7.2 | length 111.5
  Top Layer w15: D4.1 1346.16,253.84 R7.2
NetSTM1_69: STM1.69 UART3.2 | length 1513.6
  Top Layer w8: STM1.69 2380.29,710 v1(2620,710)
  Bottom Layer w8: v1(2620,710) 2760,710 2980,490 3260,490 UART3.2
NetSTM1_70: STM1.70 UART3.3 | length 1464
  Top Layer w8: STM1.70 2388.13,730 v1(2680,730)
  Bottom Layer w8: v1(2680,730) 2780,730 2945,565 UART3.3
NetSTM1_111: STM1.111 UART4.2 | length 945.2
  Top Layer w8: STM1.111 1409.06,1710.04 1407.13,1710.04 1365,1752.16 1365,1790 1395,1820 v1(1631.78,1820) ; v1(1935,1817.29) 2072.29,1817.29 UART4.2
  Bottom Layer w8: v1(1631.78,1820) 1634.48,1817.29 v1(1935,1817.29)
NetSTM1_112: STM1.112 UART4.3 | length 1121.3
  Top Layer w8: STM1.112 1342.63,1747.66 1342.63,1794.14 1388.5,1840 v1(1595,1840) ; v1(1880,1840) 1925,1795 2150,1795 UART4.3
  Bottom Layer w8: v1(1595,1840) v1(1880,1840)
OLED_D0: OLED-1.3 STM1.93 | length 824.5
  Top Layer w8: STM1.93 1826.77,1570 2080,1570 2435,1215 OLED-1.3
OLED_D1: OLED-1.4 STM1.92 | length 871.3
  Top Layer w8: STM1.92 1835.64,1551.03 2058.97,1551.03 2377.81,1232.19 2377.81,1182.19 OLED-1.4
OLED_DC: OLED-1.6 STM1.90 | length 995.4
  Top Layer w8: STM1.90 1827.62,1486.36 1856.29,1515.03 2044.06,1515.03 2330.95,1228.14 2330.95,1029.05 OLED-1.6
OLED_RES: OLED-1.5 STM1.91 | length 933.4
  Top Layer w8: STM1.91 1845.48,1533.03 2051.52,1533.03 2359.81,1224.73 2359.81,1174.73 2360,1174.54 2360,1100 OLED-1.5
OSC32_IN: C11.2 STM1.8 XTAL2.1 | length 388.5
  Top Layer w8: XTAL2.1 991.54,957.48 STM1.8
  Top Layer w15: C11.2 765,924.79 797.69,957.48 XTAL2.1
OSC32_OUT: C16.2 STM1.9 XTAL2.2 | length 385.7
  Top Layer w8: XTAL2.2 909.48,939.48 1002.35,939.48 1060.11,997.24 1060.11,999.18 STM1.9
  Top Layer w15: C16.2 840,870 XTAL2.2
OSC_IN: C7.2 STM1.23 XTAL1.1 | length 392.7
  Top Layer w8: XTAL1.1 1075,740 1191.65,740 STM1.23
  Top Layer w15: C7.2 977.56,674.09 XTAL1.1
OSC_OUT: C10.2 STM1.24 XTAL1.2 | length 378.8
  Top Layer w8: XTAL1.2 1200.27,625.27 1200.27,720.79 STM1.24
  Top Layer w15: C10.2 1166.08,620 XTAL1.2
Power: C1.2 C2.2 C5.1 C12.2 C13.2 CN1.2 CN2.2 CN3.2 CN4.2 CN5.2 CN6.2 CN7.2 CN8.2 CN9.2 CN10.2 CN11.2 CN12.2 CN13.2 CN14.2 CN15.2 CN16.2 CN17.2 CN18.2 CN19.1 E1.1 U1.3 U2.1 U3.3 | length 8363.8
  Top Layer w15: U3.3 978.1,370 1065,370 ; C13.2 1065,370 ; C12.2 1065,370 ; U1.3 3040.8,1083.9 C2.2 ; C1.2 C2.2 ; C5.1@3190,1343.22 3190,1209.28 3121.31,1140.59 C2.2
  Top Layer w30: v4(2650,1360) U2.1@2650,1524 ; v4(3025,1465) E1.1 3145,1372.17 3173.96,1343.22 C5.1@3190,1343.22
  Top Layer w50: CN10.2 CN9.2 CN1.2 CN2.2 CN3.2 CN4.2 CN5.2 CN6.2 CN18.2 CN13.2 CN12.2 CN11.2 ; v2(866.9,373.1) U3.3 ; CN8.2 CN7.2 CN17.2 CN16.2 CN15.2 CN14.2 1975.67,2050 2004.69,2020.97 2275,2020.97 ; CN19.1 2275,2020.97 ; U2.1@2650,1524 2650,1615 2457.33,1807.67 2457.33,1905 2373.43,1988.91 2372.16,1988.91 2340.09,2020.97 2275,2020.97
  Bottom Layer w30: v4(2650,1360) 2655,1360 2760,1465 v4(3025,1465)
  Bottom Layer w50: v2(866.9,373.1) 865,375 273.68,375 175,473.68 CN10.2 CN9.2 CN1.2 CN2.2 CN3.2 CN4.2 CN5.2 CN6.2 CN18.2 CN13.2 CN12.2 CN11.2 175,1893.55 251.45,1970 430,1970 465,1935 1145,1935 1260,2050 CN8.2 CN7.2 CN17.2 CN16.2 CN15.2 CN14.2
PWM_OUT0: CN1.1 STM1.34 | length 1962.9
  Top Layer w8: STM1.34 1439.47,681.6 1439.47,985.53 v1(1430,995)
  Bottom Layer w8: CN1.1 329.79,939.79 480,1090 480,1320 505,1345 1078.93,1345 1428.93,995 v1(1430,995)
PWM_OUT1: CN2.1 STM1.35 | length 1943.3
  Top Layer w8: STM1.35 1462.14,676.43 v1(1462.14,997.14)
  Bottom Layer w8: CN2.1@275,1044.58 319.58,1044.58 450,1175 450,1330 490,1370 1089.29,1370 v1(1462.14,997.14)
PWM_OUT2: CN3.1 STM1.36 | length 1935.5
  Top Layer w8: STM1.36 1480.14,666.59 1480.14,985.14 v1(1494.82,999.82)
  Bottom Layer w8: CN3.1 320,1149.79 420,1249.79 420,1335 480,1395 1099.64,1395 v1(1494.82,999.82)
PWM_OUT3: CN4.1 STM1.37 | length 1944.7
  Top Layer w8: v1(1527.5,1002.5) 1500,975 1500,698.13 1574.78,623.35 STM1.37
  Bottom Layer w8: CN4.1 275,1235 460,1420 1110,1420 v1(1527.5,1002.5)
PWM_OUT4: CN5.1 STM1.42 | length 1850.3
  Top Layer w8: v1(1585,775) 1585,753.64 STM1.42
  Bottom Layer w8: CN5.1 324.79,1359.79 410,1445 1120.36,1445 1585,980.36 v1(1585,775)
PWM_OUT5: CN6.1 STM1.43 | length 1831.4
  Top Layer w8: v1(1605,785) 1605,761.48 STM1.43
  Bottom Layer w8: CN6.1 1128.55,1464.79 1605,988.34 v1(1605,785)
PWM_OUT6: CN7.1 STM1.102 | length 526.5
  Top Layer w8: CN7.1 1496.06,1880 1645,1880 1715,1810 1715,1708.77 STM1.102
PWM_OUT7: CN8.1 STM1.103 | length 594.6
  Top Layer w8: CN8.1 1410,1860 1639.54,1860 1697,1802.54 1697,1719.58 1645.69,1668.28 STM1.103
PWM_OUT8: CN9.1 STM1.46 | length 2047.6
  Top Layer w8: v1(1565,825) 1624.03,825 1700.4,748.63 STM1.46
  Bottom Layer w8: CN9.1 349.79,834.79 500,985 500,1295 525,1320 1068.58,1320 1565,823.58 v1(1565,825)
PWM_OUT9: CN10.1 STM1.47 | length 2122.1
  Top Layer w8: v1(1520.29,840) 1524.29,844 1633.84,844 STM1.47
  Bottom Layer w8: CN10.1 354.79,729.79 530,905 530,1280 550,1300 1060.29,1300 v1(1520.29,840)
PWM_OUT10: CN11.1 STM1.136 | length 1003.1
  Top Layer w8: CN11.1 537.16,1885 STM1.136
PWM_OUT11: CN12.1 STM1.137 | length 951.4
  Top Layer w8: CN12.1 614.32,1780 STM1.137
PWM_OUT12: CN13.1 STM1.139 | length 891.6
  Top Layer w8: CN13.1 663.65,1675 STM1.139
PWM_OUT13: CN14.1 STM1.96 | length 422.3
  Top Layer w8: STM1.96 1830,1656.74 1830,1935 CN14.1
PWM_OUT14: CN15.1 STM1.97 | length 417.1
  Top Layer w8: STM1.97 1796,1650.58 1796,1894 CN15.1
PWM_OUT15: CN16.1 STM1.98 | length 443.5
  Top Layer w8: CN16.1 1645.29,1950 1778,1817.29 1778,1660.42 STM1.98
PWM_OUT16: CN17.1 STM1.99 | length 506.2
  Top Layer w8: CN17.1 1580,1900 1662.45,1900 1760,1802.45 1760,1670.26 STM1.99
PWM_OUT17: CN18.1 STM1.140 | length 840
  Top Layer w8: CN18.1 740.81,1570 STM1.140
RESET: C6.1 K4.2 R4.2 STM1.25 | length 1024.5
  Top Layer w8: C6.1@1274,70 1229,115 1193.52,115 1155,153.52 1155,450 1245,540 1245,737.68 STM1.25
  Top Layer w15: C6.1@1274,70 1310.55,70 1330.55,90 1345,90 ; R4.2 1346.16,91.16 1345,90 ; K4.2 1345,90
SWDCLK: STM1.109 SWD.2 | length 2149.6
  Top Layer w8: STM1.109 1500,1673.81 1500,1469.54 1857.88,1111.67 1857.88,1076.52 1722.35,941 v1(1650,941)
  Bottom Layer w8: v1(1650,941) 1650,921.13 1990,581.13 1990,130 SWD.2
SWDIO: STM1.105 SWD.3 | length 2071
  Top Layer w8: STM1.105 1530,1607.29 1530,1465.46 1875.88,1119.58 1875.88,1069.07 1728.81,922 v1(1676,922)
  Bottom Layer w8: v1(1676,922) 2020,578 SWD.3
V_Key: C3.2 C4.2 D1.2 MPU6050.1 OLED-1.2 U1.2 VS3.1 VS4.1 | length 2443.6
  Top Layer w10: VS4.1 1980,1860 1995,1845 v1(2040,1845)
  Top Layer w15: OLED-1.2 2768.12,991.88 2786.46,991.88 2787.12,992.55 3040,992.55 3092.71,992.55 3122.31,962.95 C4.2 3122.31,897.08 C3.2 3121.09,785.47 3121.09,776.09 VS3.1
  Top Layer w20: MPU6050.1 2705,645.24 D1.2 2786.46,845.78 U1.2@2786.46,991.88
  Bottom Layer w10: v1(2040,1845) 2040,1720 OLED-1.2
V_UART3: UART3.1 VS3.2 | length 465.9
  Top Layer w10: VS3.2 3150,765 3150,500 UART3.1
V_UART4: UART4.1 VS4.2 | length 89.1
  Top Layer w10: VS4.2 1985,1895 2050,1895 UART4.1
VDDA: C8.2 C9.2 L2.2 STM1.32 STM1.33 | length 590.6
  Top Layer w8: L2.2 1360,438.77 1360,629.97 STM1.33 STM1.32
  Top Layer w15: L2.2 1445,430 1526.79,348.21 C9.2 C8.2
pads on no net: CN19.2 STM1.4 STM1.5 STM1.7 STM1.26 STM1.27 STM1.28 STM1.29 STM1.40 STM1.41 STM1.44 STM1.45 STM1.49 STM1.50 STM1.53 STM1.54 STM1.55 STM1.56 STM1.57 STM1.60 STM1.63 STM1.64 STM1.65 STM1.66 STM1.67 STM1.68 STM1.73 STM1.74 STM1.75 STM1.76 STM1.77 STM1.78 STM1.79 STM1.80 STM1.81 STM1.82 STM1.85 STM1.86 STM1.87 STM1.88 STM1.89 STM1.100 STM1.101 STM1.104 STM1.106 STM1.110 STM1.113 STM1.123 STM1.124 STM1.125 STM1.126 STM1.127 STM1.128 STM1.129 STM1.132 STM1.133 STM1.134 STM1.135 STM1.141 STM1.142

## Polygon pours and split planes (outlines as drawn)
GND on Bottom Layer "GND_L02_P000" (solid, remove dead copper, pour order 0): -5,0 0,-5 3355,-5 3355,2208.02 3348.02,2215 1.56,2215
GND on Top Layer "GND_L01_P004" (solid, remove dead copper, pour order 4): 1.56,2.02 3342.02,2.02 3348.02,8.02 3348.02,2200 0,2200

## Keep-outs
Keep-Out Layer:
  circle w5: c2422.82,139.81 r54.13
  circle w5: c2422.82,2068.95 r54.13
  circle w5: c3210.23,139.81 r54.13
  circle w5: c139.36,139.81 r54.13
  circle w5: c3210.23,2068.95 r54.13
  circle w5: c139.36,2068.95 r54.13
  lines w5: 1.56,139.81 ccw(c139.36,139.81) 139.36,2.02 3210.23,2.02 ccw(c3210.23,139.81) 3348.02,139.81 3348.02,2068.95 ccw(c3210.23,2068.95) 3210.23,2206.74 139.36,2206.74 ccw(c139.36,2068.95) 1.56,2068.95 1.56,139.81

## Silkscreen, mask and mechanical layers (free items; w line width, h text height)
Top Overlay:
  text "GND" at 2500,1920 h30 r180
  text "TX" at 2175,1835 h30 r180
  text "RX" at 2285,1835 h30 r180
  text "GND" at 2515,1451.5 h30 r270
  text "VCC" at 2515,1350 h30 r270
  text "D0" at 2515,1235 h30 r270
  text "GND" at 3325,1215 h30 r90
  text "D1" at 2515,1130 h30 r270
  text "RES" at 2515,1050 h30 r270
  text "DC" at 2515,939.79 h30 r270
  text "5V0" at 3325,765 h30 r180
  text "GND" at 3210.23,620 h30 r90
  text "RX" at 3220.79,535 h30 r90
  text "TX" at 3225,440 h30 r90
  text "VCC" at 2640,375 h30 r90
  text "3V3" at 2085,130 h30
  text "GND" at 1770,129.25 h30
  text "CLK" at 1880,129.25 h30
  text "IO" at 2000,129.25 h30
Bottom Solder:
  lines w50: 175,1885 175,1895 250,1970 430,1970 465,1935 1145,1935 1260,2050 1320,2050

## Text inside footprints (layer, text, board x,y; h text height)
P1: Top Overlay "GND" at 2435,19.38 h25; Top Overlay "F5" at 2452.9,193.65 h25; Top Overlay "F0" at 3129.71,205 h25; Top Overlay "F6" at 3133.31,55 h25
P2: Top Overlay "D0" at 1230,2030 h25 r180; Top Overlay "GND" at 1250,2145 h25 r180; Top Overlay "D6" at 440,2040 h25 r180; Top Overlay "GND" at 440,2145 h25 r180